# KiCad board 2choc2flat-extmcu-iso-rgb.kicad_pcb
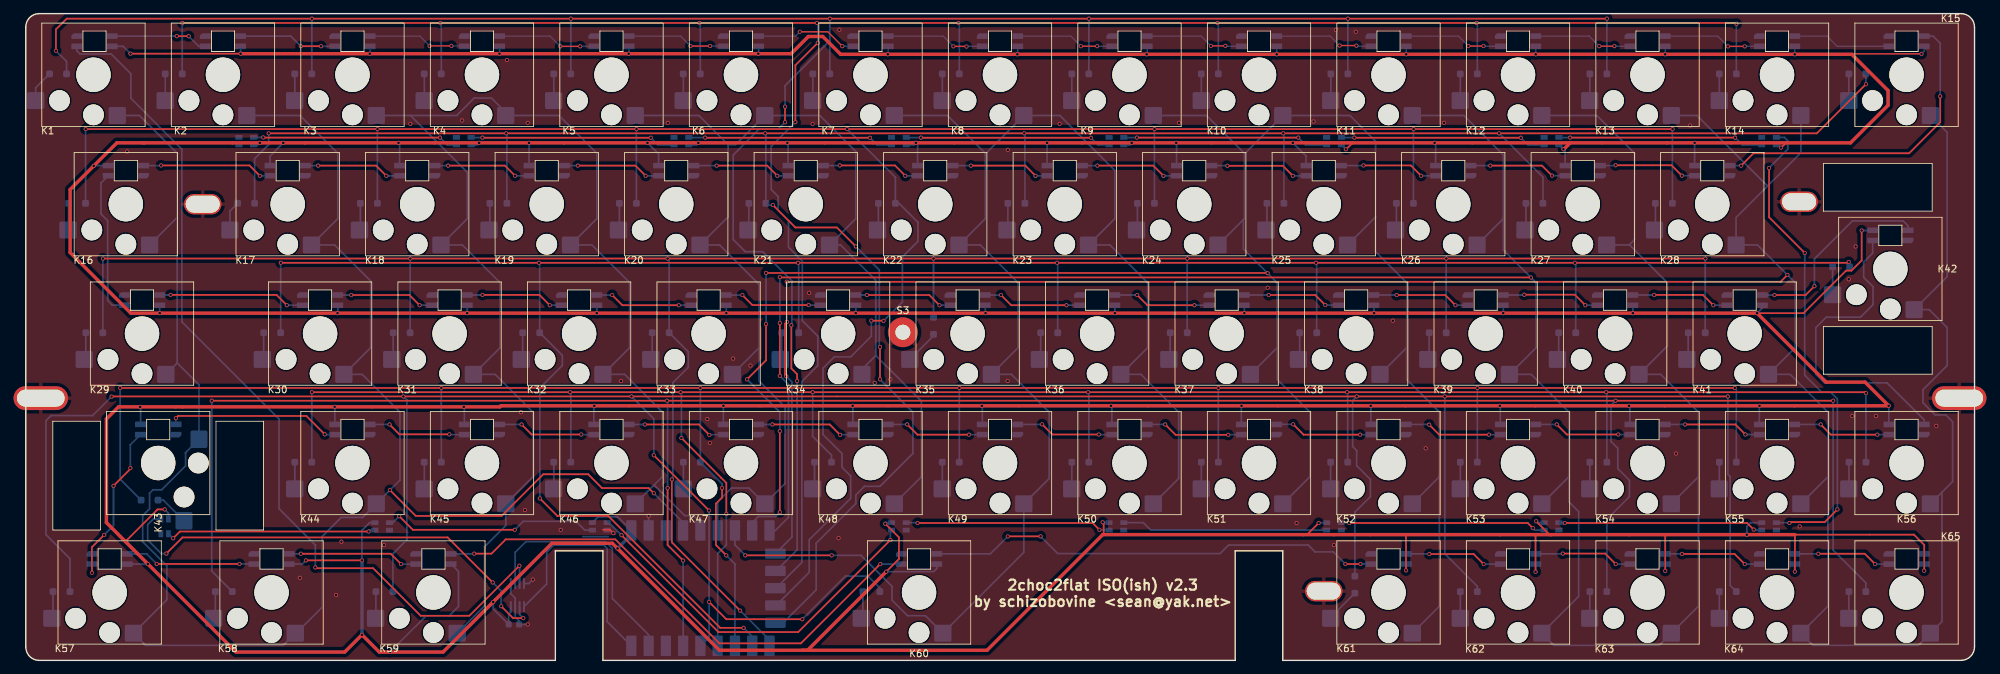
[diagram p0: board, top side]
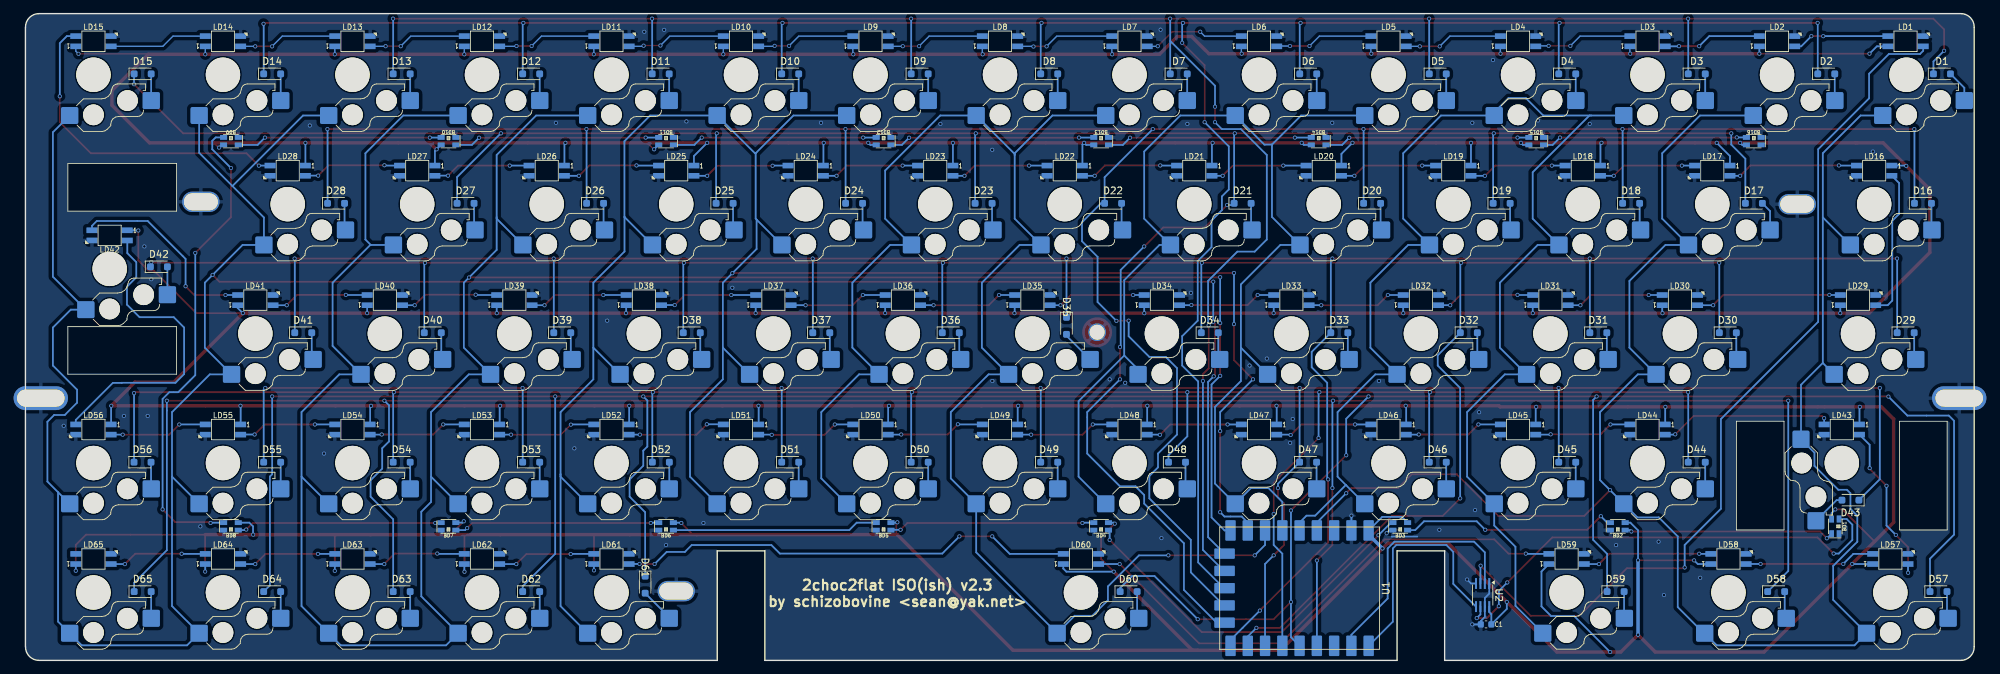
[diagram p1: board, bottom side, seen from below]

Outline 286.65 x 95.2 mm; copper layers: Top, Bottom. Coordinates in mm from the lower left corner of the outline.
Outline path: 0,93.2 0,2 arc(0.56,0.6) 1.95,0 77.89,0 77.89,16.13 84.89,16.13 84.89,0 177.89,0 177.89,16.13 184.89,16.13 184.89,0 284.65,0 arc(286.06,0.59) 286.65,2 286.65,93.2 arc(286.06,94.61) 284.65,95.2 1.95,95.2 arc(0.56,94.6) 0,93.2
Stack: Top 0.035mm / dielectric 1.51mm FR4 er 4.5 / Bottom 0.035mm

## Placement (name value [footprint] x y rotation side)
BD1  WS2812B  [LED_WS2812B_NANO_2020]  20.43 19.73 270 bottom
BD2  WS2812B  [LED_WS2812B_NANO_2020]  52.42 19.73 0 bottom
BD3  WS2812B  [LED_WS2812B_NANO_2020]  84.42 19.73 0 bottom
BD4  WS2812B  [LED_WS2812B_NANO_2020]  128.43 19.73 0 bottom
BD5  WS2812B  [LED_WS2812B_NANO_2020]  160.43 19.73 0 bottom
BD6  WS2812B  [LED_WS2812B_NANO_2020]  192.43 19.73 0 bottom
BD7  WS2812B  [LED_WS2812B_NANO_2020]  224.43 19.73 0 bottom
BD8  WS2812B  [LED_WS2812B_NANO_2020]  256.43 19.73 0 bottom
BD9  WS2812B  [LED_WS2812B_NANO_2020]  256.43 76.43 180 bottom
BD10  WS2812B  [LED_WS2812B_NANO_2020]  224.43 76.43 180 bottom
BD11  WS2812B  [LED_WS2812B_NANO_2020]  192.43 76.43 180 bottom
BD12  WS2812B  [LED_WS2812B_NANO_2020]  160.43 76.43 180 bottom
BD13  WS2812B  [LED_WS2812B_NANO_2020]  128.43 76.43 180 bottom
BD14  WS2812B  [LED_WS2812B_NANO_2020]  96.42 76.43 180 bottom
BD15  WS2812B  [LED_WS2812B_NANO_2020]  64.42 76.43 180 bottom
BD16  WS2812B  [LED_WS2812B_NANO_2020]  32.42 76.43 180 bottom
C1  1u  [C_0603_1608Metric]  71.8 5.3 0 bottom
D1  D  [D_SOD-323_HandSoldering]  4.74 86.33 180 bottom
D2  D  [D_SOD-323_HandSoldering]  21.76 86.33 180 bottom
D3  D  [D_SOD-323_HandSoldering]  40.81 86.33 180 bottom
D4  D  [D_SOD-323_HandSoldering]  59.86 86.33 180 bottom
D5  D  [D_SOD-323_HandSoldering]  78.91 86.33 180 bottom
D6  D  [D_SOD-323_HandSoldering]  97.96 86.33 180 bottom
D7  D  [D_SOD-323_HandSoldering]  117.01 86.33 180 bottom
D8  D  [D_SOD-323_HandSoldering]  136.06 86.33 180 bottom
D9  D  [D_SOD-323_HandSoldering]  155.11 86.33 180 bottom
D10  D  [D_SOD-323_HandSoldering]  174.16 86.33 180 bottom
D11  D  [D_SOD-323_HandSoldering]  193.21 86.33 180 bottom
D12  D  [D_SOD-323_HandSoldering]  212.26 86.33 180 bottom
D13  D  [D_SOD-323_HandSoldering]  231.31 86.33 180 bottom
D14  D  [D_SOD-323_HandSoldering]  250.36 86.33 180 bottom
D15  D  [D_SOD-323_HandSoldering]  269.41 86.33 180 bottom
D16  D  [D_SOD-323_HandSoldering]  7.54 67.28 180 bottom
D17  D  [D_SOD-323_HandSoldering]  32.41 67.28 180 bottom
D18  D  [D_SOD-323_HandSoldering]  50.46 67.28 180 bottom
D19  D  [D_SOD-323_HandSoldering]  69.51 67.28 180 bottom
D20  D  [D_SOD-323_HandSoldering]  88.56 67.28 180 bottom
D21  D  [D_SOD-323_HandSoldering]  107.61 67.28 180 bottom
D22  D  [D_SOD-323_HandSoldering]  126.66 67.28 180 bottom
D23  D  [D_SOD-323_HandSoldering]  145.71 67.28 180 bottom
D24  D  [D_SOD-323_HandSoldering]  164.76 67.28 180 bottom
D25  D  [D_SOD-323_HandSoldering]  183.81 67.28 180 bottom
D26  D  [D_SOD-323_HandSoldering]  202.86 67.28 180 bottom
D27  D  [D_SOD-323_HandSoldering]  221.91 67.28 180 bottom
D28  D  [D_SOD-323_HandSoldering]  240.96 67.28 180 bottom
D29  D  [D_SOD-323_HandSoldering]  10.08 48.23 180 bottom
D30  D  [D_SOD-323_HandSoldering]  36.24 48.23 180 bottom
D31  D  [D_SOD-323_HandSoldering]  55.29 48.23 180 bottom
D32  D  [D_SOD-323_HandSoldering]  74.34 48.23 180 bottom
D33  D  [D_SOD-323_HandSoldering]  93.39 48.23 180 bottom
D34  D  [D_SOD-323_HandSoldering]  112.44 48.23 180 bottom
D35  D  [D_SOD-323_HandSoldering]  133.52 49.24 270 bottom
D36  D  [D_SOD-323_HandSoldering]  150.54 48.23 180 bottom
D37  D  [D_SOD-323_HandSoldering]  169.59 48.23 180 bottom
D38  D  [D_SOD-323_HandSoldering]  188.64 48.23 180 bottom
D39  D  [D_SOD-323_HandSoldering]  207.69 48.23 180 bottom
D40  D  [D_SOD-323_HandSoldering]  226.74 48.23 180 bottom
D41  D  [D_SOD-323_HandSoldering]  245.79 48.23 180 bottom
D42  D  [D_SOD-323_HandSoldering]  267.02 57.93 180 bottom
D43  D  [D_SOD-323_HandSoldering]  18.21 23.59 0 bottom
D44  D  [D_SOD-323_HandSoldering]  40.81 29.18 180 bottom
D45  D  [D_SOD-323_HandSoldering]  59.86 29.18 180 bottom
D46  D  [D_SOD-323_HandSoldering]  78.91 29.18 180 bottom
D47  D  [D_SOD-323_HandSoldering]  97.98 29.18 180 bottom
D48  D  [D_SOD-323_HandSoldering]  117.27 29.18 180 bottom
D49  D  [D_SOD-323_HandSoldering]  136.06 29.18 180 bottom
D50  D  [D_SOD-323_HandSoldering]  155.11 29.18 180 bottom
D51  D  [D_SOD-323_HandSoldering]  174.16 29.18 180 bottom
D52  D  [D_SOD-323_HandSoldering]  193.19 29.18 180 bottom
D53  D  [D_SOD-323_HandSoldering]  212.26 29.18 180 bottom
D54  D  [D_SOD-323_HandSoldering]  231.31 29.18 180 bottom
D55  D  [D_SOD-323_HandSoldering]  250.36 29.18 180 bottom
D56  D  [D_SOD-323_HandSoldering]  269.43 29.18 180 bottom
D57  D  [D_SOD-323_HandSoldering]  5.25 10.13 180 bottom
D58  D  [D_SOD-323_HandSoldering]  29.13 10.13 180 bottom
D59  D  [D_SOD-323_HandSoldering]  52.75 10.13 180 bottom
D60  D  [D_SOD-323_HandSoldering]  124.38 10.13 180 bottom
D61  D  [D_SOD-323_HandSoldering]  195.5 11.14 270 bottom
D62  D  [D_SOD-323_HandSoldering]  212.26 10.13 180 bottom
D63  D  [D_SOD-323_HandSoldering]  231.31 10.13 180 bottom
D64  D  [D_SOD-323_HandSoldering]  250.36 10.13 180 bottom
D65  D  [D_SOD-323_HandSoldering]  269.41 10.13 180 bottom
K1  KEYSW  [SW_Hotswap_Kailh_Choc_V2_1.00u]  9.95 86.2 180 top
K2  KEYSW  [SW_Hotswap_Kailh_Choc_V2_1.00u]  29 86.2 180 top
K3  KEYSW  [SW_Hotswap_Kailh_Choc_V2_1.00u]  48.05 86.2 180 top
K4  KEYSW  [SW_Hotswap_Kailh_Choc_V2_1.00u]  67.1 86.2 180 top
K5  KEYSW  [SW_Hotswap_Kailh_Choc_V2_1.00u]  86.15 86.2 180 top
K6  KEYSW  [SW_Hotswap_Kailh_Choc_V2_1.00u]  105.2 86.2 180 top
K7  KEYSW  [SW_Hotswap_Kailh_Choc_V2_1.00u]  124.25 86.2 180 top
K8  KEYSW  [SW_Hotswap_Kailh_Choc_V2_1.00u]  143.3 86.2 180 top
K9  KEYSW  [SW_Hotswap_Kailh_Choc_V2_1.00u]  162.35 86.2 180 top
K10  KEYSW  [SW_Hotswap_Kailh_Choc_V2_1.00u]  181.4 86.2 180 top
K11  KEYSW  [SW_Hotswap_Kailh_Choc_V2_1.00u]  200.45 86.2 180 top
K12  KEYSW  [SW_Hotswap_Kailh_Choc_V2_1.00u]  219.5 86.2 180 top
K13  KEYSW  [SW_Hotswap_Kailh_Choc_V2_1.00u]  238.55 86.2 180 top
K14  KEYSW  [SW_Hotswap_Kailh_Choc_V2_1.00u]  257.6 86.2 180 top
K15  KEYSW  [SW_Hotswap_Kailh_Choc_V2_1.00u]  276.65 86.2 180 top
K16  KEYSW  [SW_Hotswap_Kailh_Choc_V2_1.50u]  14.71 67.15 180 top
K17  KEYSW  [SW_Hotswap_Kailh_Choc_V2_1.00u]  38.52 67.15 180 top
K18  KEYSW  [SW_Hotswap_Kailh_Choc_V2_1.00u]  57.57 67.15 180 top
K19  KEYSW  [SW_Hotswap_Kailh_Choc_V2_1.00u]  76.62 67.15 180 top
K20  KEYSW  [SW_Hotswap_Kailh_Choc_V2_1.00u]  95.67 67.15 180 top
K21  KEYSW  [SW_Hotswap_Kailh_Choc_V2_1.00u]  114.72 67.15 180 top
K22  KEYSW  [SW_Hotswap_Kailh_Choc_V2_1.00u]  133.78 67.15 180 top
K23  KEYSW  [SW_Hotswap_Kailh_Choc_V2_1.00u]  152.83 67.15 180 top
K24  KEYSW  [SW_Hotswap_Kailh_Choc_V2_1.00u]  171.88 67.15 180 top
K25  KEYSW  [SW_Hotswap_Kailh_Choc_V2_1.00u]  190.93 67.15 180 top
K26  KEYSW  [SW_Hotswap_Kailh_Choc_V2_1.00u]  209.98 67.15 180 top
K27  KEYSW  [SW_Hotswap_Kailh_Choc_V2_1.00u]  229.03 67.15 180 top
K28  KEYSW  [SW_Hotswap_Kailh_Choc_V2_1.00u]  248.08 67.15 180 top
K29  KEYSW  [SW_Hotswap_Kailh_Choc_V2_1.75u]  17.09 48.1 180 top
K30  KEYSW  [SW_Hotswap_Kailh_Choc_V2_1.00u]  43.29 48.1 180 top
K31  KEYSW  [SW_Hotswap_Kailh_Choc_V2_1.00u]  62.34 48.1 180 top
K32  KEYSW  [SW_Hotswap_Kailh_Choc_V2_1.00u]  81.39 48.1 180 top
K33  KEYSW  [SW_Hotswap_Kailh_Choc_V2_1.00u]  100.44 48.1 180 top
K34  KEYSW  [SW_Hotswap_Kailh_Choc_V2_1.00u]  119.49 48.1 180 top
K35  KEYSW  [SW_Hotswap_Kailh_Choc_V2_1.00u]  138.54 48.1 180 top
K36  KEYSW  [SW_Hotswap_Kailh_Choc_V2_1.00u]  157.59 48.1 180 top
K37  KEYSW  [SW_Hotswap_Kailh_Choc_V2_1.00u]  176.64 48.1 180 top
K38  KEYSW  [SW_Hotswap_Kailh_Choc_V2_1.00u]  195.69 48.1 180 top
K39  KEYSW  [SW_Hotswap_Kailh_Choc_V2_1.00u]  214.74 48.1 180 top
K40  KEYSW  [SW_Hotswap_Kailh_Choc_V2_1.00u]  233.79 48.1 180 top
K41  KEYSW  [SW_Hotswap_Kailh_Choc_V2_1.00u]  252.84 48.1 180 top
K42  KEYSW  [SW_Hotswap_Kailh_Choc_V2_ISOEnter_180deg_West_Gateron_LP_Stabs]  274.27 57.63 180 top
K43  KEYSW  [SW_Hotswap_Kailh_Choc_V2_2.00u_270deg_Gateron_LP_Stabs]  19.48 29.05 270 top
K44  KEYSW  [SW_Hotswap_Kailh_Choc_V2_1.00u]  48.05 29.05 180 top
K45  KEYSW  [SW_Hotswap_Kailh_Choc_V2_1.00u]  67.1 29.05 180 top
K46  KEYSW  [SW_Hotswap_Kailh_Choc_V2_1.00u]  86.15 29.05 180 top
K47  KEYSW  [SW_Hotswap_Kailh_Choc_V2_1.00u]  105.2 29.05 180 top
K48  KEYSW  [SW_Hotswap_Kailh_Choc_V2_1.00u]  124.25 29.05 180 top
K49  KEYSW  [SW_Hotswap_Kailh_Choc_V2_1.00u]  143.3 29.05 180 top
K50  KEYSW  [SW_Hotswap_Kailh_Choc_V2_1.00u]  162.35 29.05 180 top
K51  KEYSW  [SW_Hotswap_Kailh_Choc_V2_1.00u]  181.4 29.05 180 top
K52  KEYSW  [SW_Hotswap_Kailh_Choc_V2_1.00u]  200.45 29.05 180 top
K53  KEYSW  [SW_Hotswap_Kailh_Choc_V2_1.00u]  219.5 29.05 180 top
K54  KEYSW  [SW_Hotswap_Kailh_Choc_V2_1.00u]  238.55 29.05 180 top
K55  KEYSW  [SW_Hotswap_Kailh_Choc_V2_1.00u]  257.6 29.05 180 top
K56  KEYSW  [SW_Hotswap_Kailh_Choc_V2_1.00u]  276.65 29.05 180 top
K57  KEYSW  [SW_Hotswap_Kailh_Choc_V2_1.25u]  12.33 10 180 top
K58  KEYSW  [SW_Hotswap_Kailh_Choc_V2_1.25u]  36.14 10 180 top
K59  KEYSW  [SW_Hotswap_Kailh_Choc_V2_1.25u]  59.96 10 180 top
K60  KEYSW  [SW_Hotswap_Kailh_Choc_V2_6.25u_special2]  131.39 10 180 top
K61  KEYSW  [SW_Hotswap_Kailh_Choc_V2_1.00u]  200.45 10 180 top
K62  KEYSW  [SW_Hotswap_Kailh_Choc_V2_1.00u]  219.5 10 180 top
K63  KEYSW  [SW_Hotswap_Kailh_Choc_V2_1.00u]  238.55 10 180 top
K64  KEYSW  [SW_Hotswap_Kailh_Choc_V2_1.00u]  257.6 10 180 top
K65  KEYSW  [SW_Hotswap_Kailh_Choc_V2_1.00u]  276.65 10 180 top
LD1  SK6812MINI  [LED_SK6812MINI_PLCC4_3.1x2.7mm_P1.75mm_reverse_mount]  10.1 91.13 180 top
LD2  SK6812MINI  [LED_SK6812MINI_PLCC4_3.1x2.7mm_P1.75mm_reverse_mount]  29 91.13 180 top
LD3  SK6812MINI  [LED_SK6812MINI_PLCC4_3.1x2.7mm_P1.75mm_reverse_mount]  48.05 91.13 180 top
LD4  SK6812MINI  [LED_SK6812MINI_PLCC4_3.1x2.7mm_P1.75mm_reverse_mount]  67.1 91.13 180 top
LD5  SK6812MINI  [LED_SK6812MINI_PLCC4_3.1x2.7mm_P1.75mm_reverse_mount]  86.15 91.13 180 top
LD6  SK6812MINI  [LED_SK6812MINI_PLCC4_3.1x2.7mm_P1.75mm_reverse_mount]  105.2 91.13 180 top
LD7  SK6812MINI  [LED_SK6812MINI_PLCC4_3.1x2.7mm_P1.75mm_reverse_mount]  124.25 91.13 180 top
LD8  SK6812MINI  [LED_SK6812MINI_PLCC4_3.1x2.7mm_P1.75mm_reverse_mount]  143.3 91.13 180 top
LD9  SK6812MINI  [LED_SK6812MINI_PLCC4_3.1x2.7mm_P1.75mm_reverse_mount]  162.35 91.13 180 top
LD10  SK6812MINI  [LED_SK6812MINI_PLCC4_3.1x2.7mm_P1.75mm_reverse_mount]  181.4 91.13 180 top
LD11  SK6812MINI  [LED_SK6812MINI_PLCC4_3.1x2.7mm_P1.75mm_reverse_mount]  200.45 91.13 180 top
LD12  SK6812MINI  [LED_SK6812MINI_PLCC4_3.1x2.7mm_P1.75mm_reverse_mount]  219.5 91.13 180 top
LD13  SK6812MINI  [LED_SK6812MINI_PLCC4_3.1x2.7mm_P1.75mm_reverse_mount]  238.55 91.13 180 top
LD14  SK6812MINI  [LED_SK6812MINI_PLCC4_3.1x2.7mm_P1.75mm_reverse_mount]  257.6 91.13 180 top
LD15  SK6812MINI  [LED_SK6812MINI_PLCC4_3.1x2.7mm_P1.75mm_reverse_mount]  276.65 91.13 180 top
LD16  SK6812MINI  [LED_SK6812MINI_PLCC4_3.1x2.7mm_P1.75mm_reverse_mount]  14.71 72.08 0 top
LD17  SK6812MINI  [LED_SK6812MINI_PLCC4_3.1x2.7mm_P1.75mm_reverse_mount]  38.52 72.08 0 top
LD18  SK6812MINI  [LED_SK6812MINI_PLCC4_3.1x2.7mm_P1.75mm_reverse_mount]  57.57 72.08 0 top
LD19  SK6812MINI  [LED_SK6812MINI_PLCC4_3.1x2.7mm_P1.75mm_reverse_mount]  76.62 72.08 0 top
LD20  SK6812MINI  [LED_SK6812MINI_PLCC4_3.1x2.7mm_P1.75mm_reverse_mount]  95.67 72.08 0 top
LD21  SK6812MINI  [LED_SK6812MINI_PLCC4_3.1x2.7mm_P1.75mm_reverse_mount]  114.72 72.08 0 top
LD22  SK6812MINI  [LED_SK6812MINI_PLCC4_3.1x2.7mm_P1.75mm_reverse_mount]  133.78 72.08 0 top
LD23  SK6812MINI  [LED_SK6812MINI_PLCC4_3.1x2.7mm_P1.75mm_reverse_mount]  152.83 72.08 0 top
LD24  SK6812MINI  [LED_SK6812MINI_PLCC4_3.1x2.7mm_P1.75mm_reverse_mount]  171.88 72.08 0 top
LD25  SK6812MINI  [LED_SK6812MINI_PLCC4_3.1x2.7mm_P1.75mm_reverse_mount]  190.93 72.08 0 top
LD26  SK6812MINI  [LED_SK6812MINI_PLCC4_3.1x2.7mm_P1.75mm_reverse_mount]  209.98 72.08 0 top
LD27  SK6812MINI  [LED_SK6812MINI_PLCC4_3.1x2.7mm_P1.75mm_reverse_mount]  229.03 72.08 0 top
LD28  SK6812MINI  [LED_SK6812MINI_PLCC4_3.1x2.7mm_P1.75mm_reverse_mount]  248.08 72.08 0 top
LD29  SK6812MINI  [LED_SK6812MINI_PLCC4_3.1x2.7mm_P1.75mm_reverse_mount]  17.09 53.03 180 top
LD30  SK6812MINI  [LED_SK6812MINI_PLCC4_3.1x2.7mm_P1.75mm_reverse_mount]  43.29 53.03 180 top
LD31  SK6812MINI  [LED_SK6812MINI_PLCC4_3.1x2.7mm_P1.75mm_reverse_mount]  62.34 53.03 180 top
LD32  SK6812MINI  [LED_SK6812MINI_PLCC4_3.1x2.7mm_P1.75mm_reverse_mount]  81.39 53.03 180 top
LD33  SK6812MINI  [LED_SK6812MINI_PLCC4_3.1x2.7mm_P1.75mm_reverse_mount]  100.44 53.03 180 top
LD34  SK6812MINI  [LED_SK6812MINI_PLCC4_3.1x2.7mm_P1.75mm_reverse_mount]  119.49 53.03 180 top
LD35  SK6812MINI  [LED_SK6812MINI_PLCC4_3.1x2.7mm_P1.75mm_reverse_mount]  138.54 53.03 180 top
LD36  SK6812MINI  [LED_SK6812MINI_PLCC4_3.1x2.7mm_P1.75mm_reverse_mount]  157.59 53.03 180 top
LD37  SK6812MINI  [LED_SK6812MINI_PLCC4_3.1x2.7mm_P1.75mm_reverse_mount]  176.64 53.03 180 top
LD38  SK6812MINI  [LED_SK6812MINI_PLCC4_3.1x2.7mm_P1.75mm_reverse_mount]  195.69 53.03 180 top
LD39  SK6812MINI  [LED_SK6812MINI_PLCC4_3.1x2.7mm_P1.75mm_reverse_mount]  214.74 53.03 180 top
LD40  SK6812MINI  [LED_SK6812MINI_PLCC4_3.1x2.7mm_P1.75mm_reverse_mount]  233.79 53.03 180 top
LD41  SK6812MINI  [LED_SK6812MINI_PLCC4_3.1x2.7mm_P1.75mm_reverse_mount]  252.84 53.03 180 top
LD42  SK6812MINI  [LED_SK6812MINI_PLCC4_3.1x2.7mm_P1.75mm_reverse_mount]  274.27 62.56 0 top
LD43  SK6812MINI  [LED_SK6812MINI_PLCC4_3.1x2.7mm_P1.75mm_reverse_mount]  19.48 33.98 0 top
LD44  SK6812MINI  [LED_SK6812MINI_PLCC4_3.1x2.7mm_P1.75mm_reverse_mount]  48.05 33.98 0 top
LD45  SK6812MINI  [LED_SK6812MINI_PLCC4_3.1x2.7mm_P1.75mm_reverse_mount]  67.1 33.98 0 top
LD46  SK6812MINI  [LED_SK6812MINI_PLCC4_3.1x2.7mm_P1.75mm_reverse_mount]  86.15 33.98 0 top
LD47  SK6812MINI  [LED_SK6812MINI_PLCC4_3.1x2.7mm_P1.75mm_reverse_mount]  105.2 33.98 0 top
LD48  SK6812MINI  [LED_SK6812MINI_PLCC4_3.1x2.7mm_P1.75mm_reverse_mount]  124.25 33.98 0 top
LD49  SK6812MINI  [LED_SK6812MINI_PLCC4_3.1x2.7mm_P1.75mm_reverse_mount]  143.3 33.98 0 top
LD50  SK6812MINI  [LED_SK6812MINI_PLCC4_3.1x2.7mm_P1.75mm_reverse_mount]  162.35 33.98 0 top
LD51  SK6812MINI  [LED_SK6812MINI_PLCC4_3.1x2.7mm_P1.75mm_reverse_mount]  181.4 33.98 0 top
LD52  SK6812MINI  [LED_SK6812MINI_PLCC4_3.1x2.7mm_P1.75mm_reverse_mount]  200.45 33.98 0 top
LD53  SK6812MINI  [LED_SK6812MINI_PLCC4_3.1x2.7mm_P1.75mm_reverse_mount]  219.5 33.98 0 top
LD54  SK6812MINI  [LED_SK6812MINI_PLCC4_3.1x2.7mm_P1.75mm_reverse_mount]  238.55 33.98 0 top
LD55  SK6812MINI  [LED_SK6812MINI_PLCC4_3.1x2.7mm_P1.75mm_reverse_mount]  257.6 33.98 0 top
LD56  SK6812MINI  [LED_SK6812MINI_PLCC4_3.1x2.7mm_P1.75mm_reverse_mount]  276.65 33.98 0 top
LD57  SK6812MINI  [LED_SK6812MINI_PLCC4_3.1x2.7mm_P1.75mm_reverse_mount]  12.33 14.93 180 top
LD58  SK6812MINI  [LED_SK6812MINI_PLCC4_3.1x2.7mm_P1.75mm_reverse_mount]  36.14 14.93 180 top
LD59  SK6812MINI  [LED_SK6812MINI_PLCC4_3.1x2.7mm_P1.75mm_reverse_mount]  59.96 14.93 180 top
LD60  SK6812MINI  [LED_SK6812MINI_PLCC4_3.1x2.7mm_P1.75mm_reverse_mount]  131.39 14.93 180 top
LD61  SK6812MINI  [LED_SK6812MINI_PLCC4_3.1x2.7mm_P1.75mm_reverse_mount]  200.45 14.93 180 top
LD62  SK6812MINI  [LED_SK6812MINI_PLCC4_3.1x2.7mm_P1.75mm_reverse_mount]  219.5 14.93 180 top
LD63  SK6812MINI  [LED_SK6812MINI_PLCC4_3.1x2.7mm_P1.75mm_reverse_mount]  238.55 14.93 180 top
LD64  SK6812MINI  [LED_SK6812MINI_PLCC4_3.1x2.7mm_P1.75mm_reverse_mount]  257.6 14.93 180 top
LD65  SK6812MINI  [LED_SK6812MINI_PLCC4_3.1x2.7mm_P1.75mm_reverse_mount]  276.65 14.93 180 top
S1  Screw  [3_5x2.5mm]  26.03 67.15 0 top
S2  Screw  [3_5x2.5mm]  260.85 67.5 0 top
S3  Screw  [MountingHole_2.2mm_M2_Pad_TopOnly]  129.01 48.3 0 top
S4  Screw  [8x3.5_7x2.5mm]  2.2 38.6 0 top
S5  Screw  [8x3.5_7x2.5mm]  284.4 38.6 0 top
S6  Screw  [3_5x2.5mm]  190.93 10.2 0 top
U1  WS-RP2040-Tiny  [WAVESHARE_RP2040_TINY_SLIM]  99.23 10.64 270 bottom
U2  74LVC2G125  [SSOP-8_2.95x2.8mm_P0.65mm]  72.31 9.62 270 bottom

## Library data of the parts
BD1-BD16 LD1-LD65 = -: Description: RGB LED with integrated controller
C1 = -: Description: Unpolarized capacitor, small symbol
D1-D65 = -: Description: Diode
S1-S6 = -: Description: Generic screw terminal, single row, 01x01, script generated (kicad-library-utils/schlib/autogen/connector/)
U2 = -: Description: Dual Buffer Tri-State, Low-Voltage CMOS

## Footprints (pads in the part's own frame, mm; a bottom-side part is the same pattern mirrored in y, then rotated)
3_5x2.5mm
  oval 5.5x3 hole 5x2.5: 1(0,0)
8x3.5_7x2.5mm
  oval 8x3.5 hole 7x2.5: 1(0,0)
C_0603_1608Metric
  rrect 0.9x0.95 smd: 1(-0.775,0) 2(0.775,0)
D_SOD-323_HandSoldering
  rrect 1x1 smd: 1(-1.25,0) 2(1.25,0)
LED_SK6812MINI_PLCC4_3.1x2.7mm_P1.75mm_reverse_mount
  rect 1.6x0.82 smd far side: 1(-2.6,0.75) 2(-2.6,-0.75) 4(2.6,0.75)
  rrect 1.6x0.82 smd far side: 3(2.6,-0.75)
LED_WS2812B_NANO_2020
  rect 1.035x0.7 smd: 1(1.083,-0.55) 2(1.083,0.55) 3(-1.083,0.55) 4(-1.083,-0.55)
MountingHole_2.2mm_M2_Pad_TopOnly
  round 2.6 hole 2.2: 1(0,0)
  round 4.4 smd: 1(0,0)
SSOP-8_2.95x2.8mm_P0.65mm
  rect 1.6x0.3 smd: 1(-1.7,0.975) 2(-1.7,0.325) 3(-1.7,-0.325) 4(-1.7,-0.975) 5(1.7,-0.975) 6(1.7,-0.325) 7(1.7,0.325) 8(1.7,0.975)
SW_Hotswap_Kailh_Choc_V2_1.00u
  round 3.05 hole 3.05 unplated: (0,5.9) (5,3.8)
  round 5.05 hole 5.05 unplated: (0,0)
  rrect 2.55x2.5 smd far side: 1(-3.5,6) 2(8.5,3.8)
SW_Hotswap_Kailh_Choc_V2_1.25u
  round 3.05 hole 3.05 unplated: (0,5.9) (5,3.8)
  round 5.05 hole 5.05 unplated: (0,0)
  rrect 2.55x2.5 smd far side: 1(-3.5,6) 2(8.5,3.8)
SW_Hotswap_Kailh_Choc_V2_1.50u
  round 3.05 hole 3.05 unplated: (0,5.9) (5,3.8)
  round 5.05 hole 5.05 unplated: (0,0)
  rrect 2.55x2.5 smd far side: 1(-3.5,6) 2(8.5,3.8)
SW_Hotswap_Kailh_Choc_V2_1.75u
  round 3.05 hole 3.05 unplated: (0,5.9) (5,3.8)
  round 5.05 hole 5.05 unplated: (0,0)
  rrect 2.55x2.5 smd far side: 1(-3.5,6) 2(8.5,3.8)
SW_Hotswap_Kailh_Choc_V2_2.00u_270deg_Gateron_LP_Stabs
  round 3.05 hole 3.05 unplated: (0,5.9) (5,3.8)
  round 5.05 hole 5.05 unplated: (0,0)
  rrect 2.55x2.5 smd far side: 1(-3.5,6) 2(8.5,3.8)
SW_Hotswap_Kailh_Choc_V2_6.25u_special2
  round 3.05 hole 3.05 unplated: (0,5.9) (5,3.8)
  round 5.05 hole 5.05 unplated: (0,0)
  rrect 2.55x2.5 smd far side: 1(-3.5,6) 2(8.5,3.8)
SW_Hotswap_Kailh_Choc_V2_ISOEnter_180deg_West_Gateron_LP_Stabs
  round 3.05 hole 3.05 unplated: (0,5.9) (5,3.8)
  round 5.05 hole 5.05 unplated: (0,0)
  rrect 2.55x2.5 smd far side: 1(-3.5,6) 2(8.5,3.8)
WAVESHARE_RP2040_TINY_SLIM
  rrect 3.015x1.524 smd: 1(8.492,10.16) 2(8.492,7.62) 3(8.492,5.08) 4(8.492,2.54) 5(8.492,0) 6(8.492,-2.54) 7(8.492,-5.08) 8(8.492,-7.62) 9(8.492,-10.16) 15(-8.492,-10.16) 16(-8.492,-7.62) 17(-8.492,-5.08) 18(-8.492,-2.54) 19(-8.492,0) 20(-8.492,2.54) 21(-8.492,5.08) 22(-8.492,7.62) 23(-8.492,10.16)
  rrect 1.524x3.015 smd: 10(5.08,-11.033) 11(2.54,-11.033) 12(0,-11.033) 13(-2.54,-11.033) 14(-5.08,-11.033)

## Nets
+3V3: U1.21
+5V: BD1.4 BD2.4 BD3.4 BD4.4 BD5.4 BD6.4 BD7.4 BD8.4 BD9.4 BD10.4 BD11.4 BD12.4 BD13.4 BD14.4 BD15.4 BD16.4 C1.1 LD1.1 LD2.1 LD3.1 LD4.1 LD5.1 LD6.1 LD7.1 LD8.1 LD9.1 LD10.1 LD11.1 LD12.1 LD13.1 LD14.1 LD15.1 LD16.1 LD17.1 LD18.1 LD19.1 LD20.1 LD21.1 LD22.1 LD23.1 LD24.1 LD25.1 LD26.1 LD27.1 LD28.1 LD29.1 LD30.1 LD31.1 LD32.1 LD33.1 LD34.1 LD35.1 LD36.1 LD37.1 LD38.1 LD39.1 LD40.1 LD41.1 LD42.1 LD43.1 LD44.1 LD45.1 LD46.1 LD47.1 LD48.1 LD49.1 LD50.1 LD51.1 LD52.1 LD53.1 LD54.1 LD55.1 LD56.1 LD57.1 LD58.1 LD59.1 LD60.1 LD61.1 LD62.1 LD63.1 LD64.1 LD65.1 U1.23 U2.8
GND: BD1.2 BD2.2 BD3.2 BD4.2 BD5.2 BD6.2 BD7.2 BD8.2 BD9.2 BD10.2 BD11.2 BD12.2 BD13.2 BD14.2 BD15.2 BD16.2 C1.2 LD1.3 LD2.3 LD3.3 LD4.3 LD5.3 LD6.3 LD7.3 LD8.3 LD9.3 LD10.3 LD11.3 LD12.3 LD13.3 LD14.3 LD15.3 LD16.3 LD17.3 LD18.3 LD19.3 LD20.3 LD21.3 LD22.3 LD23.3 LD24.3 LD25.3 LD26.3 LD27.3 LD28.3 LD29.3 LD30.3 LD31.3 LD32.3 LD33.3 LD34.3 LD35.3 LD36.3 LD37.3 LD38.3 LD39.3 LD40.3 LD41.3 LD42.3 LD43.3 LD44.3 LD45.3 LD46.3 LD47.3 LD48.3 LD49.3 LD50.3 LD51.3 LD52.3 LD53.3 LD54.3 LD55.3 LD56.3 LD57.3 LD58.3 LD59.3 LD60.3 LD61.3 LD62.3 LD63.3 LD64.3 LD65.3 S1.1 S2.1 S3.1 S4.1 S5.1 S6.1 U1.22 U2.1 U2.4 U2.7
col0: K1.1 K2.1 K16.1 K17.1 K29.1 K30.1 K43.1 K44.1 K57.1 K58.1 U1.20
col1: K3.1 K4.1 K18.1 K19.1 K31.1 K32.1 K45.1 K46.1 K59.1 U1.19
col2: K5.1 K6.1 K20.1 K21.1 K33.1 K34.1 K47.1 K48.1 U1.18
col3: K7.1 K8.1 K22.1 K23.1 K35.1 K36.1 K49.1 K50.1 K60.1 U1.17
col4: K9.1 K10.1 K24.1 K25.1 K37.1 K38.1 K51.1 K52.1 K61.1 U1.16
col5: K11.1 K12.1 K26.1 K27.1 K39.1 K40.1 K53.1 K54.1 K62.1 K63.1 U1.15
col6: K13.1 K14.1 K15.1 K28.1 K41.1 K42.1 K55.1 K56.1 K64.1 K65.1 U1.14
per_key_rgb: U1.1 U2.5
per_key_rgb_5v: LD1.4 U2.3
row0: D1.1 D3.1 D5.1 D7.1 D9.1 D11.1 D13.1 U1.13
row1: D2.1 D4.1 D6.1 D8.1 D10.1 D12.1 D14.1 U1.12
row2: D16.1 D18.1 D20.1 D22.1 D24.1 D26.1 D28.1 U1.11
row3: D15.1 D17.1 D19.1 D21.1 D23.1 D25.1 D27.1 U1.10
row4: D29.1 D31.1 D33.1 D35.1 D37.1 D39.1 D41.1 U1.9
row5: D30.1 D32.1 D34.1 D36.1 D38.1 D40.1 D42.1 U1.8
row6: D43.1 D45.1 D47.1 D49.1 D51.1 D53.1 D55.1 U1.7
row7: D44.1 D46.1 D48.1 D50.1 D52.1 D54.1 D56.1 U1.6
row8: D57.1 D59.1 D60.1 D61.1 D62.1 D64.1 U1.5
row9: D58.1 D63.1 D65.1 U1.4
underglow: U1.2 U2.2
underglow_5v: BD1.3 U2.6
Net-(BD1-DOUT): BD1.1 BD2.3
Net-(BD2-DOUT): BD2.1 BD3.3
Net-(BD3-DOUT): BD3.1 BD4.3
Net-(BD4-DOUT): BD4.1 BD5.3
Net-(BD5-DOUT): BD5.1 BD6.3
Net-(BD6-DOUT): BD6.1 BD7.3
Net-(BD7-DOUT): BD7.1 BD8.3
Net-(BD8-DOUT): BD8.1 BD9.3
Net-(BD10-DIN): BD9.1 BD10.3
Net-(BD10-DOUT): BD10.1 BD11.3
Net-(BD11-DOUT): BD11.1 BD12.3
Net-(BD12-DOUT): BD12.1 BD13.3
Net-(BD13-DOUT): BD13.1 BD14.3
Net-(BD14-DOUT): BD14.1 BD15.3
Net-(BD15-DOUT): BD15.1 BD16.3
Net-(D1-A): D1.2 K1.2
Net-(D2-A): D2.2 K2.2
Net-(D3-A): D3.2 K3.2
Net-(D4-A): D4.2 K4.2
Net-(D5-A): D5.2 K5.2
Net-(D6-A): D6.2 K6.2
Net-(D7-A): D7.2 K7.2
Net-(D8-A): D8.2 K8.2
Net-(D9-A): D9.2 K9.2
Net-(D10-A): D10.2 K10.2
Net-(D11-A): D11.2 K11.2
Net-(D12-A): D12.2 K12.2
Net-(D13-A): D13.2 K13.2
Net-(D14-A): D14.2 K14.2
Net-(D15-A): D15.2 K15.2
Net-(D16-A): D16.2 K16.2
Net-(D17-A): D17.2 K17.2
Net-(D18-A): D18.2 K18.2
Net-(D19-A): D19.2 K19.2
Net-(D20-A): D20.2 K20.2
Net-(D21-A): D21.2 K21.2
Net-(D22-A): D22.2 K22.2
Net-(D23-A): D23.2 K23.2
Net-(D24-A): D24.2 K24.2
Net-(D25-A): D25.2 K25.2